# Altium PCB DM1097_R0M0E0.PcbDoc (part 1 of 7) (continued)
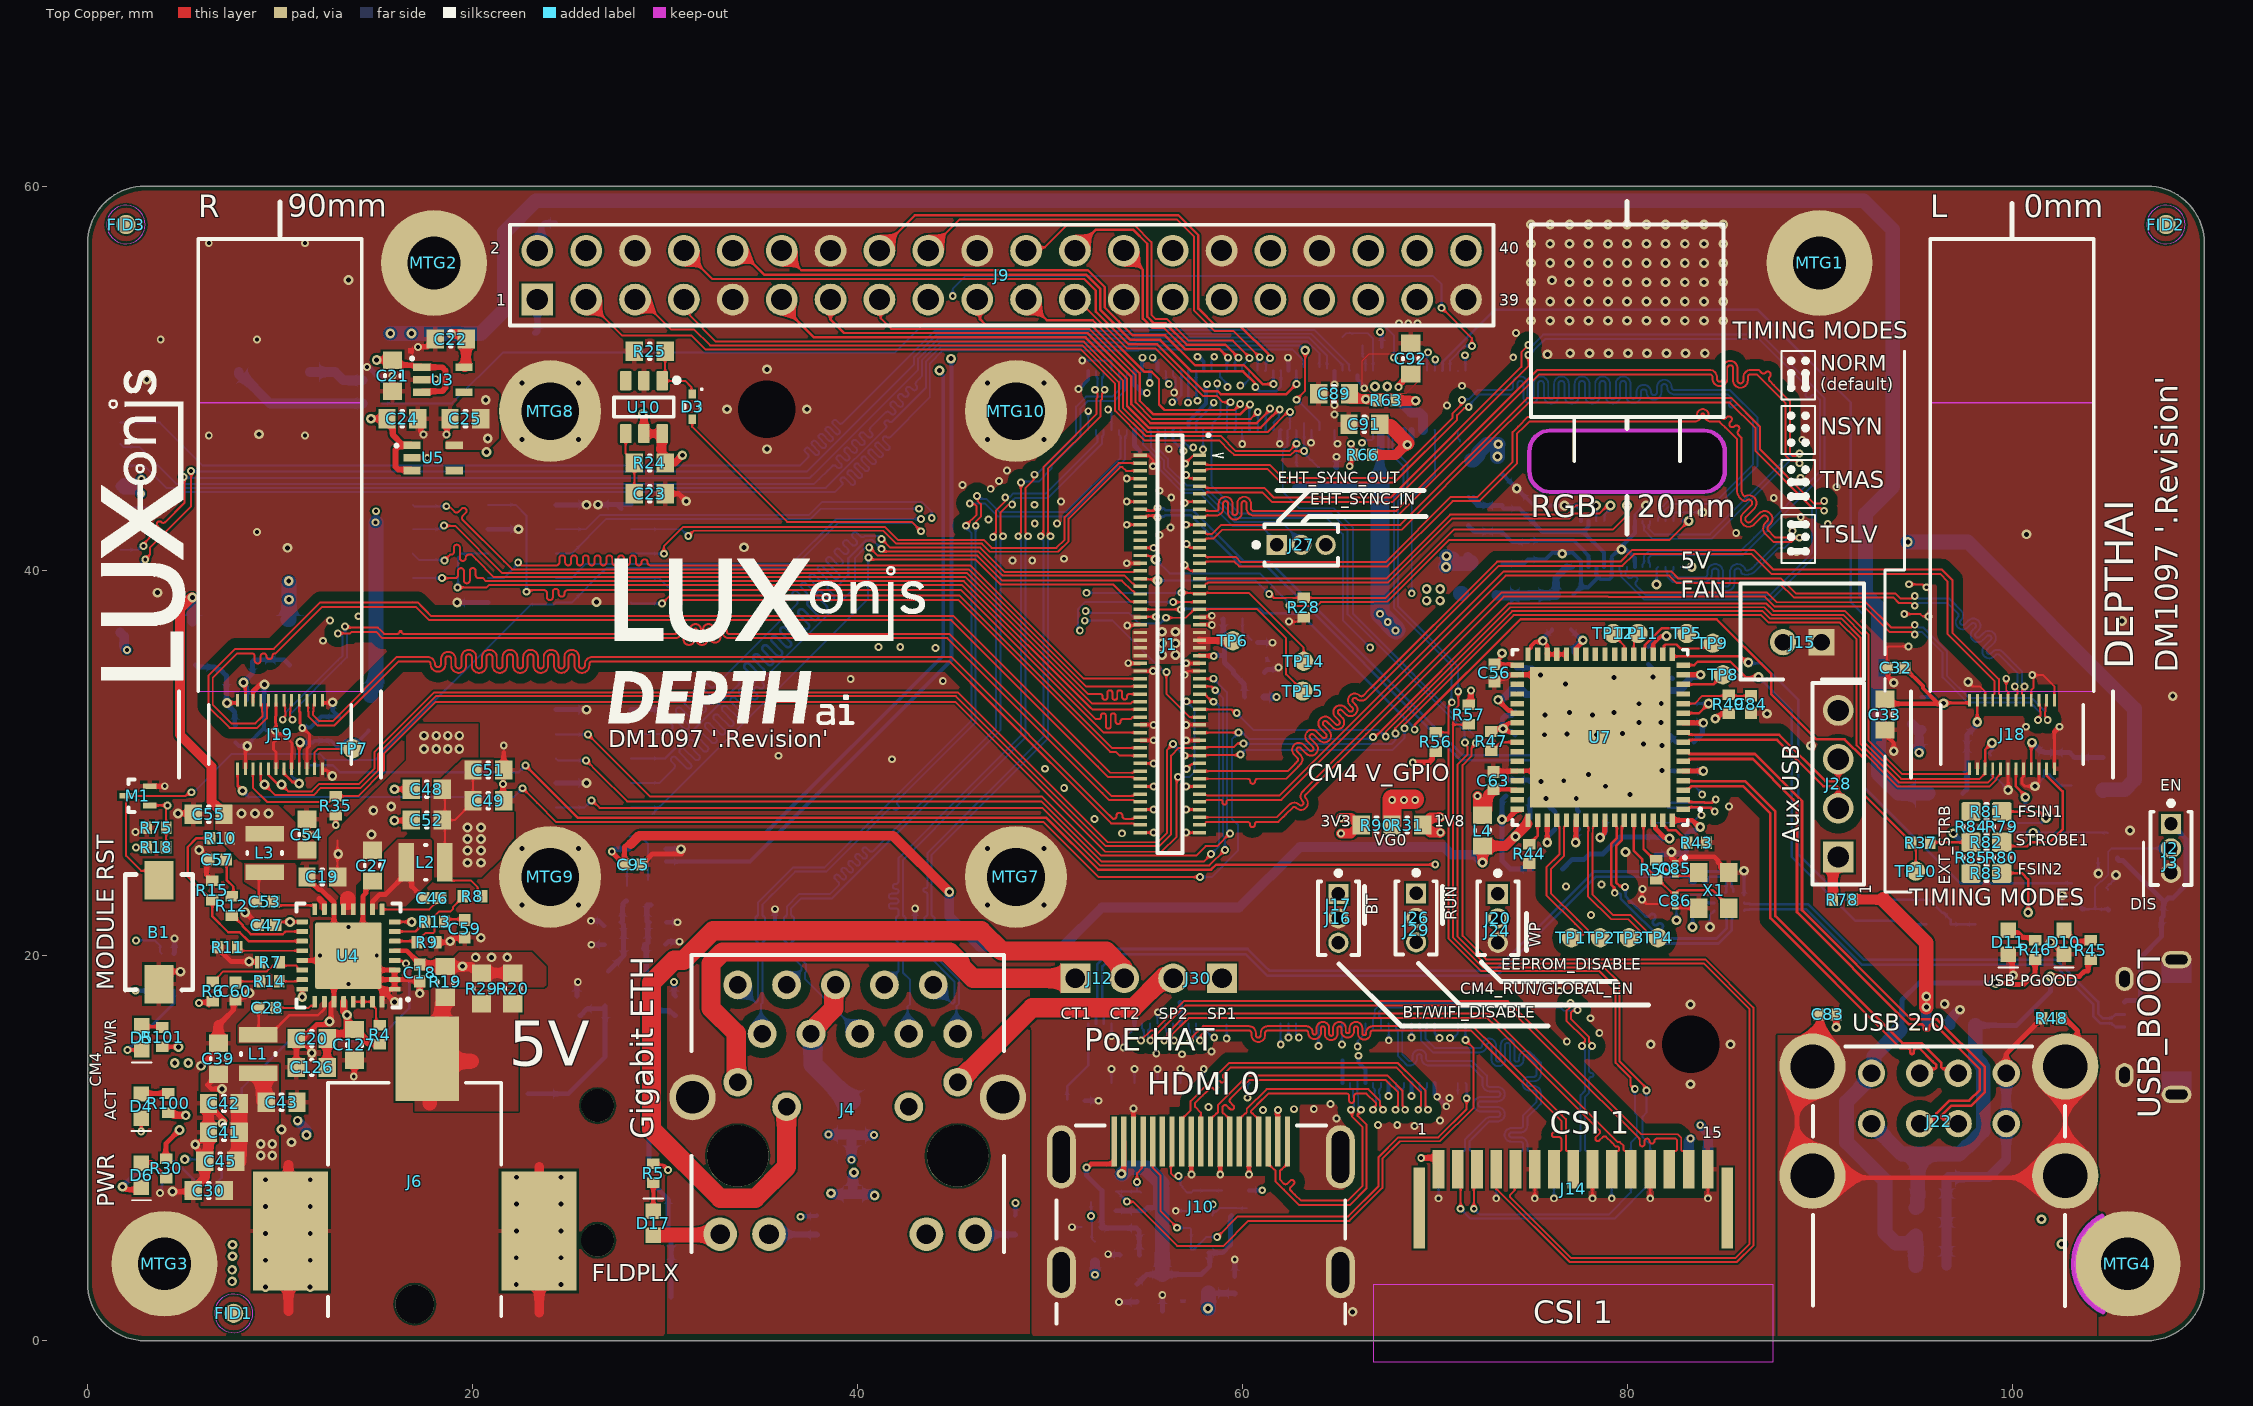
[diagram p0: Top Copper view]
## Components (designator, comment, footprint, x,y, rotation, side; value= is the part's Value field where it differs from the comment) (continued)
C73 "0.1uF 0402" CAPC0402(1005)70_N 74.256,34.51 r270 bottom locked
C74 "0.1uF 0402" CAPC0402(1005)70_N 82.8,34.4 r0 bottom
C75 "0.1uF 0402" CAPC0402(1005)70_N 73.705,28.766 r270 bottom locked
C76 "1uF 0402" CAPC0402(1005)70_N 81.49,25.725 r90 bottom locked
C77 "10uF 0603" CAPC0603(1608)100_N 60.35,34.722 r180 bottom
C78 "10uF 0603" CAPC0603(1608)100_N 59.995,36.271 r180 bottom
C79 "22uF 0603" CAPC0603(1608)100_N 95.8,3.9 r0 bottom locked
C80 "22uF 0603" CAPC0603(1608)100_N 95.8,5.4 r0 bottom locked
C81 "22uF 0603" CAPC0603(1608)100_N 95.8,6.9 r0 bottom locked
C82 "22uF 0603" CAPC0603(1608)100_N 95.8,8.4 r0 bottom locked
C83 "0.1uF 0402" CAPC0402(1005)70_N 90.412,16.955 r180 top locked
C84 "0.1uF 0402" CAPC0402(1005)70_N 86.432,33.062 r90 top locked
C85 "33pF 0201" CAPC0201(0603)33_L 82.5,24.53 r270 top locked
C86 "33pF 0201" CAPC0201(0603)33_L 82.5,22.87 r90 top locked
C87 "4.7uF 0603" CAPC0603(1608)100_N 2.5,36.8 r180 bottom
C89 "22uF 0603" CAPC0603(1608)100_N 64.77,49.2 r180 top
C91 "22uF 0603" CAPC0603(1608)100_N 66.345,47.625 r180 top
C92 "22uF 0603" CAPC0603(1608)100_N 68.758,51.029 r90 top
C93 "47UF 0805" CAPC0805(2012)145_N 29.007,18.274 r90 bottom
C94 "0.1uF 0402" CAPC0402(1005)70_N 29.642,21.742 r180 bottom
C95 "0.1uF 0402" CAPC0402(1005)70_N 28.346,24.74 r180 top
C96 "47UF 0805" CAPC0805(2012)145_N 26.899,18.288 r90 bottom
C97 "0.1uF 0402" CAPC0402(1005)70_N 27.28,21.742 r0 bottom
C126 "22uF 0603" CAPC0603(1608)100_N 11.65,14.2 r180 top locked
C127 "22uF 0603" CAPC0603(1608)100_N 13.868,15.367 r270 top
CM4 "Raspberry Pi Compute Module 4" CM4-DF40HC(3.0)-100DS-0.4v_3mm_1.5mm 59.3,31.9 r90 bottom locked
D1 "TPD4E02B04DQAR" TPD4E02B04DQAR 35.7,21.4 r0 bottom
D2 "TPD4E02B04DQAR" TPD4E02B04DQAR 43,21.4 r0 bottom
D3 "BAS16XV2T1G" BAS16XV2T1G 31.42,48.539 r270 top
D4 "GREEN 0603" SML_D1xx8W 2.794,12.192 r90 top
D5 "RED 0603" SML_D1xx8W 2.819,15.748 r90 top
D6 "RED 0603" SML_D1xx8W 2.8,8.6 r90 top locked
D10 "GREEN 0603" SML_D1xx8W 102.7,20.7 r90 top
D11 "GREEN 0603" SML_D1xx8W 99.8,20.7 r90 top locked
D17 "GREEN 0603" SML_D1xx8W 29.4,6.1 r270 top
FB1 "600R/100MHz" 2508056017Y2 71.755,44.806 r270 bottom
FB2 "600R/100MHz" 2508056017Y2 71.755,41.402 r90 bottom
FB3 "600R/100MHz" 2508056017Y2 72.339,38.684 r0 bottom
FB4 "600R/100MHz" 2508056017Y2 104.73,29.446 r90 bottom locked
FB5 "600R/100MHz" 2508056017Y2 14.7,32.558 r270 bottom locked
FB6 "600R/100MHz" 2508056017Y2 95.3,32.6 r90 bottom locked
FB7 "600R/100MHz" 2508056017Y2 5.461,36.068 r270 bottom
FB8 "600R/100MHz" 2508056017Y2 96.586,28.441 r0 bottom locked
FB9 "600R/100MHz" 2508056017Y2 10.49,36.068 r270 bottom
FID1 "FIDUCIAL_ROUND_1MM" FIDUCIAL_ROUND_1MM 7.595,1.422 r90 top
FID2 "FIDUCIAL_ROUND_1MM" FIDUCIAL_ROUND_1MM 108,58 r90 top locked
FID3 "FIDUCIAL_ROUND_1MM" FIDUCIAL_ROUND_1MM 2,58 r90 top locked
FID4 "FIDUCIAL_ROUND_1MM" FIDUCIAL_ROUND_1MM 100,2 r90 bottom locked
FID5 "FIDUCIAL_ROUND_1MM" FIDUCIAL_ROUND_1MM 2,58 r90 bottom locked
FID6 "FIDUCIAL_ROUND_1MM" FIDUCIAL_ROUND_1MM 108,58 r90 bottom locked
J1 "DF40HC(3.0)-100DS-0.4V_BW1099G2 Receptacle" DF40HC-3.0-100DS-0.4V_minpad 56.24,36.2 r0 top locked
J2 "1.27MM PTH" GRPB031VWVN-RC 108.261,25.583 r270 top locked
J3 "1.27mm hdr shunt" M50-1900005 108.261,24.838 r270 top locked
J4 "802.3af PoE" TRJG0926HENL 39.5,9.6 r0 top locked
J5 "20021121-00010T1LF" 20021121-00010T1LF 26.289,40.894 r90 bottom
J6 "PJ-036AH-SMT-TR" PJ-036AH-SMT 17,8.275 r90 top locked
J7 "20021121-00010T1LF" 20021121-00010T1LF 18.85,40.894 r270 bottom locked
J8 "20021121-00010T1LF" 20021121-00010T1LF 26.289,30.251 r90 bottom
J9 "HDR_RaspberryPI_40pin" 61304021121 47.498,55.372 r0 top locked
J10 "HDMI 685119134923" 685119134923 57.85,6.9 r180 top locked
J11 "24-5804-030-000-829+" A12N02A-201_MatedModule 80,41.4 r180 bottom locked
J12 "68000-102HLF" 68000-102HLF 52.6,18.833 r0 top
J13 "SFW15R-2STE1LF Top Contact" SFW15R-2STE1LF 77.2,8.4 r180 bottom locked
J14 "SFW15R-2STE1LF Top Contact" SFW15R-2STE1LF 77.2,8.4 r0 top
J15 "B2B-PH-K-S(LF)(SN)" B2B-PH-K-S(LF)(SN) 89.1,36.85 r0 top locked
J16 "1.27MM PTH" GRPB031VWVN-RC 64.999,21.949 r270 top
J17 "1.27mm hdr shunt" M50-1900005 64.999,22.657 r90 top
J18 "BBR43-24KB533 for camera module TG161B-201" TG161B-201_HD 100,31.5 r0 top locked
J19 "BBR43-24KB533 for camera module TG161B-201" TG161B-201_HD 10,31.5 r0 top locked
J20 "1.27MM PTH" GRPB031VWVN-RC 73.281,21.949 r270 top
J21 "Micro-B USB 2.0" 10118194-0001LF 107.2,16.3 r270 bottom locked
J22 "USB-A, Stacked USB 2.0" 61400826021 96.2,6.79 r0 top locked
J23 "uSD push/pull" 104031-0811 7.112,44.588 r90 bottom locked
J24 "1.27mm hdr shunt" M50-1900005 73.254,21.311 r90 top
J25 "SJ-43515RS-SMT" SJ-43515RS-SMT 26.503,8.466 r90 bottom locked
J26 "1.27MM PTH" GRPB031VWVN-RC 69.037,21.971 r270 top
J27 "1.27MM PTH" GRPB031VWVN-RC 63.068,41.351 r0 top
J28 "HDR_1x4 Vert 0.100\"" 61300411121 90.971,28.941 r90 top locked
J29 "1.27mm hdr shunt" M50-1900005 69.037,21.336 r90 top
J30 "68000-102HLF" 68000-102HLF 57.68,18.833 r180 top
L1 "1uH, 3.2A, 20%" DFE252012P-1R0M=P2 8.872,14.899 r270 top locked
L2 "1uH, 3.2A, 20%" DFE252012P-1R0M=P2 17.571,24.854 r0 top locked
L3 "1uH, 3.2A, 20%" DFE252012P-1R0M=P2 9.203,25.343 r90 top locked
L4 "120R/100MHz" BLM18PG121SN1D_N 72.492,26.505 r270 top
L5 "120R/100MHz" BLM18PG121SN1D_N 75.85,24.51 r0 bottom locked
M1 "RE1C002UNTCL" RE1C002UNTCL 2.616,28.314 r90 top locked
MTG1 "" MOUNTING_HOLE_M2.5 90,56 r0 top locked
MTG2 "" MOUNTING_HOLE_M2.5 18,56 r0 top locked
MTG3 "" MOUNTING_HOLE_M2.5 4,4 r0 top
MTG4 "" MOUNTING_HOLE_M2.5 106,4 r0 top
MTG5 "M2, 3MM steel spacer on M2.5 mounting pad" 9774030243R 35.3,48.4 r180 bottom locked
MTG6 "M2, 3MM steel spacer on M2.5 mounting pad" 9774030243R 83.3,15.4 r180 bottom locked
MTG7 "M2, 3MM steel spacer on M2.5 mounting pad" 9774030243R 48.24,24.1 r45 top locked
MTG8 "M2, 3MM steel spacer on M2.5 mounting pad" 9774030243R 24.04,48.3 r45 top locked
MTG9 "M2, 3MM steel spacer on M2.5 mounting pad" 9774030243R 24.04,24.1 r45 top locked
MTG10 "M2, 3MM steel spacer on M2.5 mounting pad" 9774030243R 48.24,48.3 r45 top locked
Q1 "DMG1012T-7" DMG1012T-7 103.094,23.128 r90 bottom locked
Q3 "DMG1012T-7" DMG1012T-7 58.95,7.15 r90 bottom
Q4 "DMG1012T-7" DMG1012T-7 52.15,6.55 r90 bottom
Q5 "RE1C002UNTCL" RE1C002UNTCL 3.559,8.741 r270 bottom locked
Q6 "DMG1012T-7" DMG1012T-7 104.977,25.725 r90 bottom locked
R1 "470R 0402" RESC0402(1005)_N 48.2,6 r270 bottom
R2 "47K 0402" RESC0402(1005)_N 104.977,22.925 r270 bottom locked
R3 "470R 0402" RESC0402(1005)_N 37.9,6 r270 bottom
R4 "10K 0402" RESC0402(1005)_N 15.189,15.9 r270 top
R5 "470R 0402" RESC0402(1005)_N 29.4,8.7 r270 top
R6 "45.3K 0402" RESC0402(1005)_N 6.512,18.146 r270 top locked
R7 "10K 0402" RESC0402(1005)_N 9.485,19.668 r0 top locked
R8 "10K 0402" RESC0402(1005)_N 20,23.1 r0 top locked
R9 "13.3K 0402" RESC0402(1005)_N 17.622,20.697 r180 top locked
R10 "20K 0402" RESC0402(1005)_N 6.885,26.113 r0 top locked
R11 "24.9K 0402" RESC0402(1005)_N 7.28,20.439 r0 top locked
R12 "33K 0402" RESC0402(1005)_N 7.505,22.59 r270 top locked
R13 "56K 0402" RESC0402(1005)_N 18.038,21.762 r180 top locked
R14 "56K 0402" RESC0402(1005)_N 9.469,18.668 r0 top locked
R15 "10K 0402" RESC0402(1005)_N 6.487,23.4 r270 top locked
R16 "1.8K 0402" RESC0402(1005)_N 66.751,51.638 r0 bottom
R18 "470R 0402" RESC0402(1005)_N 3.578,25.629 r0 top
R19 "0R 0603" RESC0603(1608)_N 18.593,18.644 r270 top
R20 "0R 0603" RESC0603(1608)_N 22.098,18.301 r270 top
R21 "0R 0603" RESC0603(1608)_N 39.766,6.807 r270 bottom
R24 "10K 0603" RESC0603(1608)_N 29.212,45.609 r0 top
R25 "10K 0603" RESC0603(1608)_N 29.212,51.409 r0 top
R26 "47K 0402" RESC0402(1005)_N 60.35,7.315 r90 bottom
R27 "100K 0402" RESC0402(1005)_N 52.349,4.572 r270 bottom
R28 "10K 0402" RESC0402(1005)_N 63.195,38.1 r270 top
R29 "0R 0603" RESC0603(1608)_N 20.472,18.301 r270 top
R30 "1K 0402" RESC0402(1005)_N 4.1,8.95 r90 top locked
R31 "0R 0603" RESC0603(1608)_N 68.58,26.797 r0 top
R33 "10K 0402" RESC0402(1005)_N 98.9,29.916 r270 bottom locked
R34 "0R 0402" RESC0402(1005)_N 100.286,27.565 r180 bottom locked
R35 "10K 0402" RESC0402(1005)_N 12.9,27.8 r270 top
R36 "0R 0402" RESC0402(1005)_N 11.1,29.9 r0 bottom locked
R37 "10K 0402" RESC0402(1005)_N 95.258,25.865 r0 top locked
R38 "47K 0402" RESC0402(1005)_N 98.9,25.931 r0 bottom locked
R39 "47K 0402" RESC0402(1005)_N 108.361,22.038 r180 bottom locked
R40 "10K 0402" RESC0402(1005)_N 83.312,32.69 r90 bottom
R41 "0R 0402" RESC0402(1005)_N 60.63,33.452 r0 bottom
R42 "10K 0402" RESC0402(1005)_N 59.512,37.516 r180 bottom
R43 "12K 0402" RESC0402(1005)_N 83.626,25.882 r180 top locked
R44 "12.4K 0402" RESC0402(1005)_N 74.913,25.299 r90 top locked
R45 "470R 0402" RESC0402(1005)_N 104.1,20.3 r270 top locked
R46 "470R 0402" RESC0402(1005)_N 101.2,20.307 r270 top locked
R47 "10K 0402" RESC0402(1005)_N 72.94,31.156 r270 top locked
R48 "332R 0402" RESC0402(1005)_N 102.056,16.76 r0 top locked
R49 "10K 0402" RESC0402(1005)_N 85.284,33.067 r90 top locked
R50 "1M 0402" RESC0402(1005)_N 81.504,24.472 r270 top locked
R51 "10K 0402" RESC0402(1005)_N 76.59,36.956 r180 bottom locked
R52 "0R 0402" RESC0402(1005)_N 14.8,48.7 r0 bottom
R53 "0R 0402" RESC0402(1005)_N 14.8,49.9 r180 bottom
R54 "1.8K 0402" RESC0402(1005)_N 63.779,44.958 r270 bottom
R55 "1.8K 0402" RESC0402(1005)_N 62.728,44.829 r270 bottom
R56 "1.8K 0402" RESC0402(1005)_N 70.053,31.115 r270 top
R57 "1.8K 0402" RESC0402(1005)_N 71.78,32.537 r90 top
R59 "1.8K 0402" RESC0402(1005)_L 57.81,4.572 r0 bottom
R60 "1.8K 0402" RESC0402(1005)_L 53.45,7.25 r270 bottom
R61 "100K 0402" RESC0402(1005)_N 54.15,4.445 r0 bottom locked
R63 "0R 0402" RESC0402(1005)_N 67.488,48.87 r180 top
R64 "1K 0402" RESC0402(1005)_N 51.333,12.471 r180 bottom
R66 "0R 0402" RESC0402(1005)_N 66.269,46.025 r0 top
R68 "220R 0402" RESC0402(1005)_N 29.108,23.351 r270 bottom
R69 "1.8K 0402" RESC0402(1005)_N 30.556,17.399 r270 bottom
R70 "100R 0402" RESC0402(1005)_N 29.54,20.599 r180 bottom
R71 "220R 0402" RESC0402(1005)_N 28.021,23.351 r270 bottom
R72 "100R 0402" RESC0402(1005)_N 27.356,20.574 r0 bottom
R73 "1.8K 0402" RESC0402(1005)_N 25.425,17.399 r270 bottom
R75 "10K 0402" RESC0402(1005)_N 3.581,26.645 r0 top
R77 "10K 0402" RESC0402(1005)_N 6.018,8.581 r90 bottom locked
R78 "0R 0402" RESC0402(1005)_N 91.19,22.924 r0 top locked
R79 "0R 0603" RESC0603(1608)_N 99.472,26.695 r270 top
R80 "0R 0603" RESC0603(1608)_N 99.472,25.095 r270 top
R81 "0R 0603" RESC0603(1608)_N 98.672,27.495 r0 top
R82 "0R 0603" RESC0603(1608)_N 98.672,25.895 r0 top
R83 "0R 0603" RESC0603(1608)_N 98.672,24.295 r0 top
R84 "0R 0603" RESC0603(1608)_N 97.872,26.695 r270 top
R85 "0R 0603" RESC0603(1608)_N 97.872,25.095 r270 top
R90 "0R 0603" RESC0603(1608)_N 66.98,26.797 r180 top
R100 "1K 0402" RESC0402(1005)_N 4.191,12.344 r270 top
R101 "1K 0402" RESC0402(1005)_N 3.88,15.773 r270 top
TP1 "TP100_200_NS" TP100_200_NS#1 76.883,20.937 r0 top
TP2 "TP100_200_NS" TP100_200_NS#2 78.306,20.937 r0 top
TP3 "TP100_200_NS" TP100_200_NS#3 79.931,20.937 r0 top
TP4 "TP100_200_NS" TP100_200_NS#4 81.379,20.937 r0 top
TP5 "TP100_200_NS" TP100_200_NS#5 83.101,36.749 r0 top
TP6 "TP100_200_NS" TP100_200_NS#5 59.512,36.373 r90 top
TP7 "TP100_200_NS" TP100_200_NS#5 13.774,30.758 r90 top
TP8 "TP100_200_NS" TP100_200_NS#5 84.984,34.606 r90 top locked
TP9 "TP100_200_NS" TP100_200_NS#5 84.455,36.246 r90 top
TP10 "TP100_200_NS" TP100_200_NS#5 95,24.4 r180 top
TP11 "TP100_200_NS" TP100_200_NS#5 80.564,36.749 r90 top
TP12 "TP100_200_NS" TP100_200_NS#5 79.281,36.749 r90 top
TP13 "TP100_200_NS" TP100_200_NS#5 65.253,52.019 r90 bottom
TP14 "TP100_200_NS" TP100_200_NS#5 63.195,35.306 r90 top
TP15 "TP100_200_NS" TP100_200_NS#5 63.144,33.757 r90 top
U1 "AP2331W-7" AP2331W-7 57.048,2.489 r90 bottom
U2 "NUP4114HMR6T1G" SOT23-6 57.35,7.7 r270 bottom
U3 "TLV70012DCK" TLV70012DCK 18.466,49.936 r270 top
U4 "TPS65266RHBT" TPS65266RHBT 13.555,20.012 r180 top
U5 "TLV70028DCK" TLV70028DCK 17.958,45.872 r270 top
U6 "USB 2.0 Switch" FSUSB42UMX 85.309,22.754 r270 bottom locked
U7 "LAN9514-JZX" LAN951x-JZX 78.6,31.356 r180 top locked
U8 "MIC2026-1YM" MIC2026-1YM 96.181,19.007 r270 bottom locked
U9 "NC7WZ16P6X" NC7WZ16P6X 29.098,25.542 r180 bottom
U10 "PMS150C-U06" PMS150C-U06 28.912,48.509 r270 top
U11 "74LVC1G07SE-7" 74LVC1G07SE-7 3.835,19.177 r0 bottom
X1 "25MHz Xtal" 8Z-25.000MAAJ-T 84.5,23.4 r270 top locked

## Footprints (in the part's own frame and the unit in brackets; to place one, negate y for a bottom-side part, rotate by r counter-clockwise, add the part's x,y. Pads: shape width x height; smd on the part's side, far side on the other; paste and mask are expansions set on the pad)
8Z-25.000MAAJ-T [mm] "2.5 x 2.0 x 0.5mm 8Z series XTAL"
  rect 1x0.9 smd: 1(-0.925,-0.775) 2(0.925,-0.775) 3(0.925,0.775) 4(-0.925,0.775)
  silkscreen extent -1.73,-1.53 -1.67,-1.47, body extent -1.25,-1 1.25,1, height 0.55
74LVC1G07SE-7 [mm] "SC70-5 1.1mm"
  rect 0.42x0.6 smd paste-0.025 mask+0.05: 1(-0.65,-0.95) 2(0,-0.95) 3(0.65,-0.95) 4(0.65,0.95) 5(-0.65,0.95)
  silkscreen extent -0.41,-1.68 -0.36,-1.63, body extent -1.1,-1.2 1.1,1.2, height 1.1
68000-102HLF [mm] "THD, 2-Leads, Body 5.08x2.41mm, Pitch 2.54mm"
  rect 1.55x1.55 hole 1.02: 1(-1.27,0)
  round 1.55 hole 1.02: 2(1.27,0)
  body extent -2.54,-1.2 2.54,1.2, height 8.38
104031-0811 [mm] "10 (8 + 2) Position Card Connector Secure Digital - microSD™ Surface Mount, Right Angle Gold"
  rect 0.85x1.1 smd: 1(3.113,-5.412) 3(0.913,-5.412) 4(-0.188,-5.412) 5(-1.288,-5.412) 6(-2.387,-5.412) 7(-3.487,-5.412)
  rect 0.875x1.1 smd: 2(2.013,-5.412)
  rect 0.75x1.1 smd: 8(-4.537,-5.412)
  rect 1.2x1 smd: 9(5.748,0.738) 10(5.748,4.438)
  rect 1.9x1.35 smd: 11(2.248,5.413) 12(-3.722,5.413)
  rect 1.17x1.8 smd: 13(-5.747,-5.062)
  rect 1.55x1.35 smd: 14(5.573,-5.287)
  body extent -5.95,-5.65 6,5.75, height 1.44
10118194-0001LF [mm] "FCI-10118194-0001LF-5_V SMD, 5-Leads, Body 7x5mm, Pitch 0.65 mm"
  rect 0.4x1.35 smd: 1(-1.3,1.35) 2(-0.65,1.35) 3(0,1.35) 4(0.65,1.35) 5(1.3,1.35)
  oval 1.25x0.95 hole 0.55 slot 0.85 at 0 deg: 6(-2.5,1.35) 7(2.5,1.35)
  oval 0.9x1.55 hole 0.5 slot 1.15 at 90 deg: 8(-3.5,-1.35) 9(3.5,-1.35)
  rect 1.5x1.55 smd: 10(-1,-1.35) 11(1,-1.35)
  Top Copper region: 2.3,-2.125 2.3,-0.575 3.5,-0.575 3.5,-2.125
  Top Copper region: -3.5,-2.125 -3.5,-0.575 -2.3,-0.575 -2.3,-2.125
  silkscreen extent -3.5,-0.13 3.5,2.6, body extent -4.03,-4.03 4.02,1.55, height 2.72
20021121-00010T1LF [mm] "Connector Header Surface Mount 10 position 0.050\" (1.27mm)   Contact length: 0.120\" (3.05mm)"
  rect 0.76x2.4 smd: 1(-2.54,-1.95) 2(-2.54,1.95) 3(-1.27,-1.95) 4(-1.27,1.95) 5(0,-1.95) 6(0,1.95) 7(1.27,-1.95) 8(1.27,1.95) 9(2.54,-1.95) 10(2.54,1.95)
  body extent -3.18,-2.75 3.17,2.75, height 4.55
2508056017Y2 [mm] "2508056017Y2 Chip Inductor, 2-Leads, Body 2.00x1.25mm"
  rect 1.3x1.5 smd: 1(-0.95,0) 2(0.95,0)
  body extent -1.1,-0.72 1.1,0.72, height 1.1
9774030243R [mm] "STANDOFF_M2X0.4_3MM with no pad on bottom of PCB"
  round 5.3 / inner round 2.7 / far side round 2.7 hole 3 mask+0.05: 1(0,0)
  body extent -2.17,-2.17 2.18,2.17, height 3.05
61300411121 [mm] "Pin Header, pitch 2.54 mm, THT, Vertical, single row, 4p"
  rect 1.6x1.6 hole 1.1: 1(-3.81,0)
  round 1.6 hole 1.1: 2(-1.27,0) 3(1.27,0) 4(3.81,0)
  silkscreen extent -5.23,-1.35 5.23,1.35, body extent -5.08,-1.27 5.08,1.27, height 8.57
61304021121 [mm] "Pin Header, pitch 2.54 mm, THT, Vertical, dual row, 40p"
  rect 1.65x1.65 hole 1.1: 1(-24.13,-1.27)
  round 1.65 hole 1.1: 2(-24.13,1.27) 3(-21.59,-1.27) 4(-21.59,1.27) 5(-19.05,-1.27) 6(-19.05,1.27) 7(-16.51,-1.27) 8(-16.51,1.27) 9(-13.97,-1.27) 10(-13.97,1.27) 11(-11.43,-1.27) 12(-11.43,1.27) 13(-8.89,-1.27) 14(-8.89,1.27) 15(-6.35,-1.27) 16(-6.35,1.27) 17(-3.81,-1.27) 18(-3.81,1.27) 19(-1.27,-1.27) 20(-1.27,1.27) 21(1.27,-1.27) 22(1.27,1.27) 23(3.81,-1.27) 24(3.81,1.27) 25(6.35,-1.27) 26(6.35,1.27) 27(8.89,-1.27) 28(8.89,1.27) 29(11.43,-1.27) 30(11.43,1.27) 31(13.97,-1.27) 32(13.97,1.27) 33(16.51,-1.27) 34(16.51,1.27) 35(19.05,-1.27) 36(19.05,1.27) 37(21.59,-1.27) 38(21.59,1.27) 39(24.13,-1.27) 40(24.13,1.27)
  silkscreen extent -25.55,-2.62 25.55,2.62, body extent -25.4,-2.54 25.4,2.54, height 8.59
61400826021 [mm] "USB 2.0 Type A Horizontal Dual Stacked"
  round 1.42 hole 0.92: 1(-3.5,7.11) 2(-1,7.11) 3(1,7.11) 4(3.5,7.11) 5(-3.5,4.49) 6(-1,4.49) 7(1,4.49) 8(3.5,4.49)
  round 3.45 hole 2.3: Shell(-6.57,1.78) Shell(-6.57,7.46) Shell(6.57,1.78) Shell(6.57,7.46)
  silkscreen extent -6.55,-5 6.55,8.5, body extent -7.91,-8.5 7.91,8.65, height 15.93
685119134923 [mm] "HDMI  Receptacle Connector 19 Position Surface Mount, Right Angle; Through Hole"
  rect 0.28x2.6 smd mask+0.05: 1(-4.5,-3.45) 2(-4,-3.45) 3(-3.5,-3.45) 4(-3,-3.45) 5(-2.5,-3.45) 6(-2,-3.45) 7(-1.5,-3.45) 8(-1,-3.45) 9(-0.5,-3.45) 10(0,-3.45) 11(0.5,-3.45) 12(1,-3.45) 13(1.5,-3.45) 14(2,-3.45) 15(2.5,-3.45) 16(3,-3.45) 17(3.5,-3.45) 18(4,-3.45) 19(4.5,-3.45)
  oval 1.5x3.3 hole 0.9 slot 2.7 at 90 deg: 20(7.25,-2.65) 22(-7.25,-2.65)
  oval 1.5x2.7 hole 0.9 slot 2.1 at 90 deg: 21(7.25,3.35) 23(-7.25,3.35)
  silkscreen extent -7.5,-4.27 7.5,6, body extent -7.5,-4.25 7.5,7.9, height 6.25
A12N02A-201_MatedModule [mm] "connector: 24-5804-030-000-829+ (1.4mm height w/ module mated)"
  rect 0.22x0.5 smd mask+0.05: 1(-2.8,-1.2) 2(-2.4,-1.2) 3(-2,-1.2) 4(-1.6,-1.2) 5(-1.2,-1.2) 6(-0.8,-1.2) 7(-0.4,-1.2) 8(0,-1.2) 9(0.4,-1.2) 10(0.8,-1.2) 11(1.2,-1.2) 12(1.6,-1.2) 13(2,-1.2) 14(2.4,-1.2) 15(2.8,-1.2) 16(2.8,1.2) 17(2.4,1.2) 18(2,1.2) 19(1.6,1.2) 20(1.2,1.2) 21(0.8,1.2) 22(0.4,1.2) 23(0,1.2) 24(-0.4,1.2) 25(-0.8,1.2) 26(-1.2,1.2) 27(-1.6,1.2) 28(-2,1.2) 29(-2.4,1.2) 30(-2.8,1.2)
  Bottom Copper keep-out region: -4.999,16.599 4.999,16.599 4.999,6.601 -4.999,6.601
  KeepOutLayer board cut-out: -5,4.8 -4.924,5.183 -4.707,5.507 -4.383,5.724 -4,5.8 -4,5.8 4,5.8 4.383,5.724 4.707,5.507 4.924,5.183 5,4.8 5,4.8 5,3.8 4.924,3.417 4.707,3.093 4.383,2.876 4,2.8 4,2.8 -4,2.8 -4.383,2.876 -4.707,3.093 -4.924,3.417 -5,3.8 -5,3.8
  KeepOutLayer lines w0.2: 5.1,3.8 cw(c4,3.8) 4,2.7 0,2.7 -4,2.7 cw(c-4,3.8) -5.1,3.8 -5.1,4.8 cw(c-4,4.8) -4,5.9 4,5.9 cw(c4,4.8) 5.1,4.8 5.1,3.8
  silkscreen extent -4.5,-2 4.5,4.3, body extent -5,-5.71 5,16.6, height 6.18
AP2331W-7 [mm]
  rect 0.8x1 smd: 1(-0.95,-1.2) 2(0.95,-1.2) 3(0,1.2)
  silkscreen extent -1.55,-0.02 1.55,0.85, body extent -1.55,-0.9 1.55,0.85, height 1.4
B2B-PH-K-S(LF)(SN) [mm] "3.4mm pins, 6mm housing"
  rect 1.368x1.368 hole 0.86: P1(1,-0.55)
  round 1.368 hole 0.86: P2(-1,-0.55)
  silkscreen extent -3.2,-2.5 3.2,2.5, body extent -2.95,-2.25 2.95,2.25, height 6
BAS16XV2T1G [mm] "SOD, 2-Leads, Body 1.2x0.8mm"
  rect 0.48x0.4 smd: 1(-0.66,0) 2(0.66,0)
  silkscreen extent -0.95,-0.4 0.07,0.55, body extent -0.6,-0.4 0.6,0.4, height 0.7
BLM18PG121SN1D_N [mm] "Chip Inductor, 2-Leads, Body 1.60x0.80mm, IPC Medium Density"
  rect 0.9x1 smd: 1(-0.8,0) 2(0.8,0)
  silkscreen extent -0.05,-0.4 0.05,0.4, body extent -0.87,-0.48 0.88,0.47, height 1
CAPC0201(0603)33_L [mm] "Chip Capacitor, Body 0.6x0.3mm, Height 0.33mm, IPC High Density"
  rect 0.36x0.32 smd: 1(-0.28,0) 2(0.28,0)
  body extent -0.32,-0.17 0.32,0.17, height 0.33
CAPC0402(1005)60_N [mm] "Chip Capacitor, Body 1.0x0.5mm, Height 0.6mm, IPC Medium Density"
  rect 0.62x0.62 smd: 1(-0.45,0) 2(0.45,0)
  body extent -0.55,-0.3 0.55,0.3, height 0.6
CAPC0402(1005)70_N [mm] "Chip Capacitor, Body 1.0x0.5mm, Height 0.7mm, IPC Medium Density"
  rect 0.62x0.62 smd: 1(-0.45,0) 2(0.45,0)
  body extent -0.55,-0.3 0.55,0.3, height 0.7
CAPC0603(1608)100_N [mm] "Chip Capacitor, Body 1.6x0.8mm, Height 1.0mm, IPC Medium Density"
  rect 0.9x1 smd: 1(-0.8,0) 2(0.8,0)
  silkscreen extent -0.05,-0.4 0.05,0.4, body extent -0.87,-0.48 0.88,0.47, height 1
CAPC0805(2012)145_N [mm] "Chip Capacitor, Body 2.0x1.2mm, Height 1.45mm, IPC Medium Density"
  rect 1.15x1.45 smd: 1(-0.9,0) 2(0.9,0)
  silkscreen extent -0.05,-0.62 0.05,0.63, body extent -1.1,-0.72 1.1,0.73, height 1.45
CM4-DF40HC(3.0)-100DS-0.4v_3mm_1.5mm [mm] "DF40HC(3.0)-100DS-0.4v by Amornthep Phunsin"
  rect 0.7x0.2 smd: 1(18.5,-7.3) 2(15.42,-7.3) 3(18.5,-6.9) 4(15.42,-6.9) 5(18.5,-6.5) 6(15.42,-6.5) 7(18.5,-6.1) 8(15.42,-6.1) 9(18.5,-5.7) 10(15.42,-5.7) 11(18.5,-5.3) 12(15.42,-5.3) 13(18.5,-4.9) 14(15.42,-4.9) 15(18.5,-4.5) 16(15.42,-4.5) 17(18.5,-4.1) 18(15.42,-4.1) 19(18.5,-3.7) 20(15.42,-3.7) 21(18.5,-3.3) 22(15.42,-3.3) 23(18.5,-2.9) 24(15.42,-2.9) 25(18.5,-2.5) 26(15.42,-2.5) 27(18.5,-2.1) 28(15.42,-2.1) 29(18.5,-1.7) 30(15.42,-1.7) 31(18.5,-1.3) 32(15.42,-1.3) 33(18.5,-0.9) 34(15.42,-0.9) 35(18.5,-0.5) 36(15.42,-0.5) 37(18.5,-0.1) 38(15.42,-0.1) 39(18.5,0.3) 40(15.42,0.3) 41(18.5,0.7) 42(15.42,0.7) 43(18.5,1.1) 44(15.42,1.1) 45(18.5,1.5) 46(15.42,1.5) 47(18.5,1.9) 48(15.42,1.9) 49(18.5,2.3) 50(15.42,2.3) 51(18.5,2.7) 52(15.42,2.7) 53(18.5,3.1) 54(15.42,3.1) 55(18.5,3.5) 56(15.42,3.5) 57(18.5,3.9) 58(15.42,3.9) 59(18.5,4.3) 60(15.42,4.3) 61(18.5,4.7) 62(15.42,4.7) 63(18.5,5.1) 64(15.42,5.1) 65(18.5,5.5) 66(15.42,5.5) 67(18.5,5.9) 68(15.42,5.9) 69(18.5,6.3) 70(15.42,6.3) 71(18.5,6.7) 72(15.42,6.7) 73(18.5,7.1) 74(15.42,7.1) 75(18.5,7.5) 76(15.42,7.5) 77(18.5,7.9) 78(15.42,7.9) 79(18.5,8.3) 80(15.42,8.3) 81(18.5,8.7) 82(15.42,8.7) 83(18.5,9.1) 84(15.42,9.1) 85(18.5,9.5) 86(15.42,9.5) 87(18.5,9.9) 88(15.42,9.9) 89(18.5,10.3) 90(15.42,10.3) 91(18.5,10.7) 92(15.42,10.7) 93(18.5,11.1) 94(15.42,11.1) 95(18.5,11.5) 96(15.42,11.5) 97(18.5,11.9) 98(15.42,11.9) 99(18.5,12.3) 100(15.42,12.3) 101(-15.42,-7.3) 102(-18.5,-7.3) 103(-15.42,-6.9) 104(-18.5,-6.9) 105(-15.42,-6.5) 106(-18.5,-6.5) 107(-15.42,-6.1) 108(-18.5,-6.1) 109(-15.42,-5.7) 110(-18.5,-5.7) 111(-15.42,-5.3) 112(-18.5,-5.3) 113(-15.42,-4.9) 114(-18.5,-4.9) 115(-15.42,-4.5) 116(-18.5,-4.5) 117(-15.42,-4.1) 118(-18.5,-4.1) 119(-15.42,-3.7) 120(-18.5,-3.7) 121(-15.42,-3.3) 122(-18.5,-3.3) 123(-15.42,-2.9) 124(-18.5,-2.9) 125(-15.42,-2.5) 126(-18.5,-2.5) 127(-15.42,-2.1) 128(-18.5,-2.1) 129(-15.42,-1.7) 130(-18.5,-1.7) 131(-15.42,-1.3) 132(-18.5,-1.3) 133(-15.42,-0.9) 134(-18.5,-0.9) 135(-15.42,-0.5) 136(-18.5,-0.5) 137(-15.42,-0.1) 138(-18.5,-0.1) 139(-15.42,0.3) 140(-18.5,0.3) 141(-15.42,0.7) 142(-18.5,0.7) 143(-15.42,1.1) 144(-18.5,1.1) 145(-15.42,1.5) 146(-18.5,1.5) 147(-15.42,1.9) 148(-18.5,1.9) 149(-15.42,2.3) 150(-18.5,2.3) 151(-15.42,2.7) 152(-18.5,2.7) 153(-15.42,3.1) 154(-18.5,3.1) 155(-15.42,3.5) 156(-18.5,3.5) 157(-15.42,3.9) 158(-18.5,3.9) 159(-15.42,4.3) 160(-18.5,4.3) 161(-15.42,4.7) 162(-18.5,4.7) 163(-15.42,5.1) 164(-18.5,5.1) 165(-15.42,5.5) 166(-18.5,5.5) 167(-15.42,5.9) 168(-18.5,5.9) 169(-15.42,6.3) 170(-18.5,6.3) 171(-15.42,6.7) 172(-18.5,6.7) 173(-15.42,7.1) 174(-18.5,7.1) 175(-15.42,7.5) 176(-18.5,7.5) 177(-15.42,7.9) 178(-18.5,7.9) 179(-15.42,8.3) 180(-18.5,8.3) 181(-15.42,8.7) 182(-18.5,8.7) 183(-15.42,9.1) 184(-18.5,9.1) 185(-15.42,9.5) 186(-18.5,9.5) 187(-15.42,9.9) 188(-18.5,9.9) 189(-15.42,10.3) 190(-18.5,10.3) 191(-15.42,10.7) 192(-18.5,10.7) 193(-15.42,11.1) 194(-18.5,11.1) 195(-15.42,11.5) 196(-18.5,11.5) 197(-15.42,11.9) 198(-18.5,11.9) 199(-15.42,12.3) 200(-18.5,12.3)
  silkscreen extent -20,-27.5 20,27.5, body extent -20,-27.5 20,27.5, height 6.65
DF40HC-3.0-100DS-0.4V_minpad [mm] "3.0MM MATED HEIGHT CONN HDR 100POS 0.4MM SMD GOLD"
  rect 0.7x0.18 smd: 1(1.54,9.8) 2(-1.54,9.8) 3(1.54,9.4) 4(-1.54,9.4) 5(1.54,9) 6(-1.54,9) 7(1.54,8.6) 8(-1.54,8.6) 9(1.54,8.2) 10(-1.54,8.2) 11(1.54,7.8) 12(-1.54,7.8) 13(1.54,7.4) 14(-1.54,7.4) 15(1.54,7) 16(-1.54,7) 17(1.54,6.6) 18(-1.54,6.6) 19(1.54,6.2) 20(-1.54,6.2) 21(1.54,5.8) 22(-1.54,5.8) 23(1.54,5.4) 24(-1.54,5.4) 25(1.54,5) 26(-1.54,5) 27(1.54,4.6) 28(-1.54,4.6) 29(1.54,4.2) 30(-1.54,4.2) 31(1.54,3.8) 32(-1.54,3.8) 33(1.54,3.4) 34(-1.54,3.4) 35(1.54,3) 36(-1.54,3) 37(1.54,2.6) 38(-1.54,2.6) 39(1.54,2.2) 40(-1.54,2.2) 41(1.54,1.8) 42(-1.54,1.8) 43(1.54,1.4) 44(-1.54,1.4) 45(1.54,1) 46(-1.54,1) 47(1.54,0.6) 48(-1.54,0.6) 49(1.54,0.2) 50(-1.54,0.2) 51(1.54,-0.2) 52(-1.54,-0.2) 53(1.54,-0.6) 54(-1.54,-0.6) 55(1.54,-1) 56(-1.54,-1) 57(1.54,-1.4) 58(-1.54,-1.4) 59(1.54,-1.8) 60(-1.54,-1.8) 61(1.54,-2.2) 62(-1.54,-2.2) 63(1.54,-2.6) 64(-1.54,-2.6) 65(1.54,-3) 66(-1.54,-3) 67(1.54,-3.4) 68(-1.54,-3.4) 69(1.54,-3.8) 70(-1.54,-3.8) 71(1.54,-4.2) 72(-1.54,-4.2) 73(1.54,-4.6) 74(-1.54,-4.6) 75(1.54,-5) 76(-1.54,-5) 77(1.54,-5.4) 78(-1.54,-5.4) 79(1.54,-5.8) 80(-1.54,-5.8) 81(1.54,-6.2) 82(-1.54,-6.2) 83(1.54,-6.6) 84(-1.54,-6.6) 85(1.54,-7) 86(-1.54,-7) 87(1.54,-7.4) 88(-1.54,-7.4) 89(1.54,-7.8) 90(-1.54,-7.8) 91(1.54,-8.2) 92(-1.54,-8.2) 93(1.54,-8.6) 94(-1.54,-8.6) 95(1.54,-9) 96(-1.54,-9) 97(1.54,-9.4) 98(-1.54,-9.4) 99(1.54,-9.8) 100(-1.54,-9.8)
  silkscreen extent -0.65,-10.85 2.75,10.88, body extent -1.69,-11.31 1.69,11.29, height 17.52
DFE252012P-1R0M=P2 [mm] "Chip Inductor, 2-Leads, Body 2.40x2.00mm, IPC High Density"
  rect 0.8x2 smd: 1(-1,0) 2(1,0)
  silkscreen extent -0.05,-0.9 0.05,0.9, body extent -1.25,-1.1 1.25,1.1, height 1.2
DMG1012T-7 [mm] "SOT523, 3-Leads, Body 1.6x0.8mm, Pitch 0.50mm"
  rect 0.51x0.4 smd: 1(-0.65,0.5) 2(-0.65,-0.5) 3(0.65,0)
  silkscreen extent -0.75,-0.8 0.4,1.35, body extent -0.4,-0.8 0.4,0.8, height 0.86
DTSM-32N-V [mm] "tactile button 160gf"
  rect 2x1.5 smd: 1(-2.7,0) 2(2.7,0)
  silkscreen extent -3.01,-1.76 3,1.75, body extent -3.65,-1.75 3.65,1.75, height 5
FIDUCIAL_ROUND_1MM [mm] "Round, 1mm dia"
  round 1 smd paste-1 mask+0.5: 1(0,0)
  Top Copper keep-out circle w0.025: c0,0 r1
FSUSB42UMX [mm] "USB Switch IC 1 Channel 10-UMLP (1.8x1.4)"
  rect 0.663x0.225 smd: 1(-0.519,0.2)
  rect 0.563x0.225 smd: 2(-0.569,-0.2) 6(0.569,-0.2) 7(0.569,0.2)
  rect 0.225x0.563 smd: 3(-0.4,-0.768) 4(0,-0.768) 5(0.4,-0.768) 8(0.4,0.768) 9(0,0.768) 10(-0.4,0.768)
  silkscreen extent -0.93,0.67 -0.87,0.73, body extent -0.7,-0.87 0.7,0.93, height 0.55
GRPB031VWVN-RC [mm] "Header, 3-Leads, Body 3.81x2.14mm, Pitch 1.27mm (SLIN-GRPB031VWVN-RC_V)"
  rect 1.05x1.05 hole 0.7: 1(-1.27,0)
  round 1.05 hole 0.7: 2(0,0) 3(1.27,0)
  silkscreen extent -2.47,-1.07 1.91,1.07, body extent -1.9,-1.07 1.91,1.07, height 4
LAN951x-JZX [mm] "LAN9513 or LAN9514 QFN, 64-Leads, Body 9.1x9.1mm, Pitch 0.5mm, Thermal Pad 7.3x7.3mm"
  rect 0.69x0.28 smd: 1(-4.31,3.75) 2(-4.31,3.25) 3(-4.31,2.75) 4(-4.31,2.25) 5(-4.31,1.75) 6(-4.31,1.25) 7(-4.31,0.75) 8(-4.31,0.25) 9(-4.31,-0.25) 10(-4.31,-0.75) 11(-4.31,-1.25) 12(-4.31,-1.75) 13(-4.31,-2.25) 14(-4.31,-2.75) 15(-4.31,-3.25) 16(-4.31,-3.75) 33(4.31,-3.75) 34(4.31,-3.25) 35(4.31,-2.75) 36(4.31,-2.25) 37(4.31,-1.75) 38(4.31,-1.25) 39(4.31,-0.75) 40(4.31,-0.25) 41(4.31,0.25) 42(4.31,0.75) 43(4.31,1.25) 44(4.31,1.75) 45(4.31,2.25) 46(4.31,2.75) 47(4.31,3.25) 48(4.31,3.75)
  rect 0.28x0.69 smd: 17(-3.75,-4.31) 18(-3.25,-4.31) 19(-2.75,-4.31) 20(-2.25,-4.31) 21(-1.75,-4.31) 22(-1.25,-4.31) 23(-0.75,-4.31) 24(-0.25,-4.31) 25(0.25,-4.31) 26(0.75,-4.31) 27(1.25,-4.31) 28(1.75,-4.31) 29(2.25,-4.31) 30(2.75,-4.31) 31(3.25,-4.31) 32(3.75,-4.31) 49(3.75,4.31) 50(3.25,4.31) 51(2.75,4.31) 52(2.25,4.31) 53(1.75,4.31) 54(1.25,4.31) 55(0.75,4.31) 56(0.25,4.31) 57(-0.25,4.31) 58(-0.75,4.31) 59(-1.25,4.31) 60(-1.75,4.31) 61(-2.25,4.31) 62(-2.75,4.31) 63(-3.25,4.31) 64(-3.75,4.31)
  rect 7.3x7.3 smd: 65(0,0)
  silkscreen extent -5.23,-4.55 4.55,4.55, body extent -4.55,-4.55 4.55,4.55, height 1
M50-1900005 [mm] "Shunt for 1.27mm headers"
  body extent -1.25,-0.75 1.25,0.75, height 4.5
MIC2026-1YM [mm] "SOIC, 8-Leads, Body 5x4mm, Pitch 1.27mm, IPC High Density"
  oval 1.25x0.55 smd: 1(-2.625,1.905) 2(-2.625,0.635) 3(-2.625,-0.635) 4(-2.625,-1.905) 5(2.625,-1.905) 6(2.625,-0.635) 7(2.625,0.635) 8(2.625,1.905)
  silkscreen extent -2.75,-2.5 1.6,2.85, body extent -3,-2.5 3,2.5, height 1.73
MOUNTING_HOLE_M2.5 [mm] "2.7mm dia hole, 5.5mm dia ring"
  round 5.5 / inner round 3 / far side round 5.5 hole 2.75: 1(0,0)
NC7WZ16P6X [mm] "NC7WZ07P6X - SOT23, 6-Leads, Body 2.00x2.10mm, Pitch 0.65mm, IPC Medium Density"
  rect 0.9x0.4 smd: 1(-0.95,0.65) 2(-0.95,0) 3(-0.95,-0.65) 4(0.95,-0.65) 5(0.95,0) 6(0.95,0.65)
  silkscreen extent -0.97,-1.1 0.3,1.23, body extent -0.67,-1.1 0.67,1.1, height 1.1
PJ-036AH-SMT [mm] "2.0 x 6.3 mm, 5.0 A, Horizontal, Surface Mount (SMT), Dc Power Jack Connector"
  rect 4.4x3.3 smd: 1(6.375,-0.65)
  rect 6.2x3.9 smd: 2(-2.575,6.45) 3(-2.575,-6.45)
  round 2 hole 2 unplated: ""(-6.375,0)
  silkscreen extent -7,-4.5 5.13,4.5, body extent -9.37,-7.6 7.73,7.6, height 11.05
PMS150C-U06 [mm] "SOT23-6 60mil"
  rrect17% 1x0.6 smd: 1(-1.375,0.95) 2(-1.375,0) 3(-1.375,-0.95) 4(1.375,-0.95) 5(1.375,0) 6(1.375,0.95)
  silkscreen extent -1.52,-1.55 0.5,1.83, body extent -1.42,-1.46 1.42,1.46, height 1.11
RE1C002UNTCL [mm] "ROHM SOT-416FL"
  rect 0.3x0.71 smd: 1(-0.5,-0.61) 2(0.5,-0.61) 3(0,0.61)
  silkscreen extent -0.85,0.18 0.85,0.48, body extent -0.95,-1.06 0.95,1.06, height 0.25
RESC0402(1005)_L [mm] "Chip Resistor, Body 1.0x0.5mm, IPC High Density"
  rect 0.45x0.55 smd: 1(-0.45,0) 2(0.45,0)
  body extent -0.52,-0.27 0.53,0.28, height 0.4
RESC0402(1005)_N [mm] "Chip Resistor, Body 1.0x0.5mm, IPC Medium Density"
  rect 0.55x0.65 smd: 1(-0.5,0) 2(0.5,0)
  body extent -0.52,-0.27 0.53,0.28, height 0.4
RESC0603(1608)_N [mm] "Chip Resistor, Body 1.6x0.8mm, IPC Medium Density"
  rect 0.9x1 smd: 1(-0.8,0) 2(0.8,0)
  silkscreen extent -0.05,-0.4 0.05,0.4, body extent -0.85,-0.47 0.85,0.47, height 0.6
SFW15R-2STE1LF [mm] "RPi Cam 15pin 2 lane MIPI top contact"
  rect 0.6x2 smd: P1(-7,0.5) P2(-6,0.5) P3(-5,0.5) P4(-4,0.5) P5(-3,0.5) P6(-2,0.5) P7(-1,0.5) P8(0,0.5) P9(1,0.5) P10(2,0.5) P11(3,0.5) P12(4,0.5) P13(5,0.5) P14(6,0.5) P15(7,0.5)
  rect 0.6x4.2 smd: S1(-8,-1.5) S2(8,-1.5)
  Top Copper keep-out region: -10.4,-5.5 10.4,-5.5 10.4,-9.5 -10.4,-9.5
  body extent -10.4,-5.5 10.4,1, height 2.7
SJ-43515RS-SMT [mm] "CUI_SJ-43515RS-SMT"
  rect 2x2.8 smd: 1(-7.15,-3.7) 6(-5.25,3.7)
  rect 2.8x2.6 smd: 2(5.05,-3.6)
  rect 2.2x2.8 smd: 3(-2.45,3.7) 4(-4.35,-3.7)
  round 1.7 hole 1.7 unplated: ""(-3.25,0) ""(3.75,0)
  silkscreen extent -7.75,-6.1 7.75,3, body extent -9.45,-4.5 7.75,4.5, height 5.1
SML_D1xx8W [mm] "Rohm LED SML_D1 series - Chip Diode, 2-Leads, Body 1.60x0.80mm, IPC High Density"
  rect 0.8x0.8 smd: 1(-0.625,0) 2(0.625,0)
  silkscreen extent -1.3,-0.5 -1.3,0.5, body extent -0.8,-0.4 0.8,0.4, height 0.6
SOT23-6 [mm]
  round 0.2 on Bottom Overlay: 1(-0.55,0.75)
  rect 0.6x1 smd: 1(0,0) 2(0.95,0) 3(1.9,0) 4(0,2.6) 5(0.95,2.6) 6(1.9,2.6)
  silkscreen extent -0.2,0.85 2.1,1.75, body extent -0.51,0.13 2.41,2.47, height 1